# KiCad board squishy.kicad_pcb (continued)
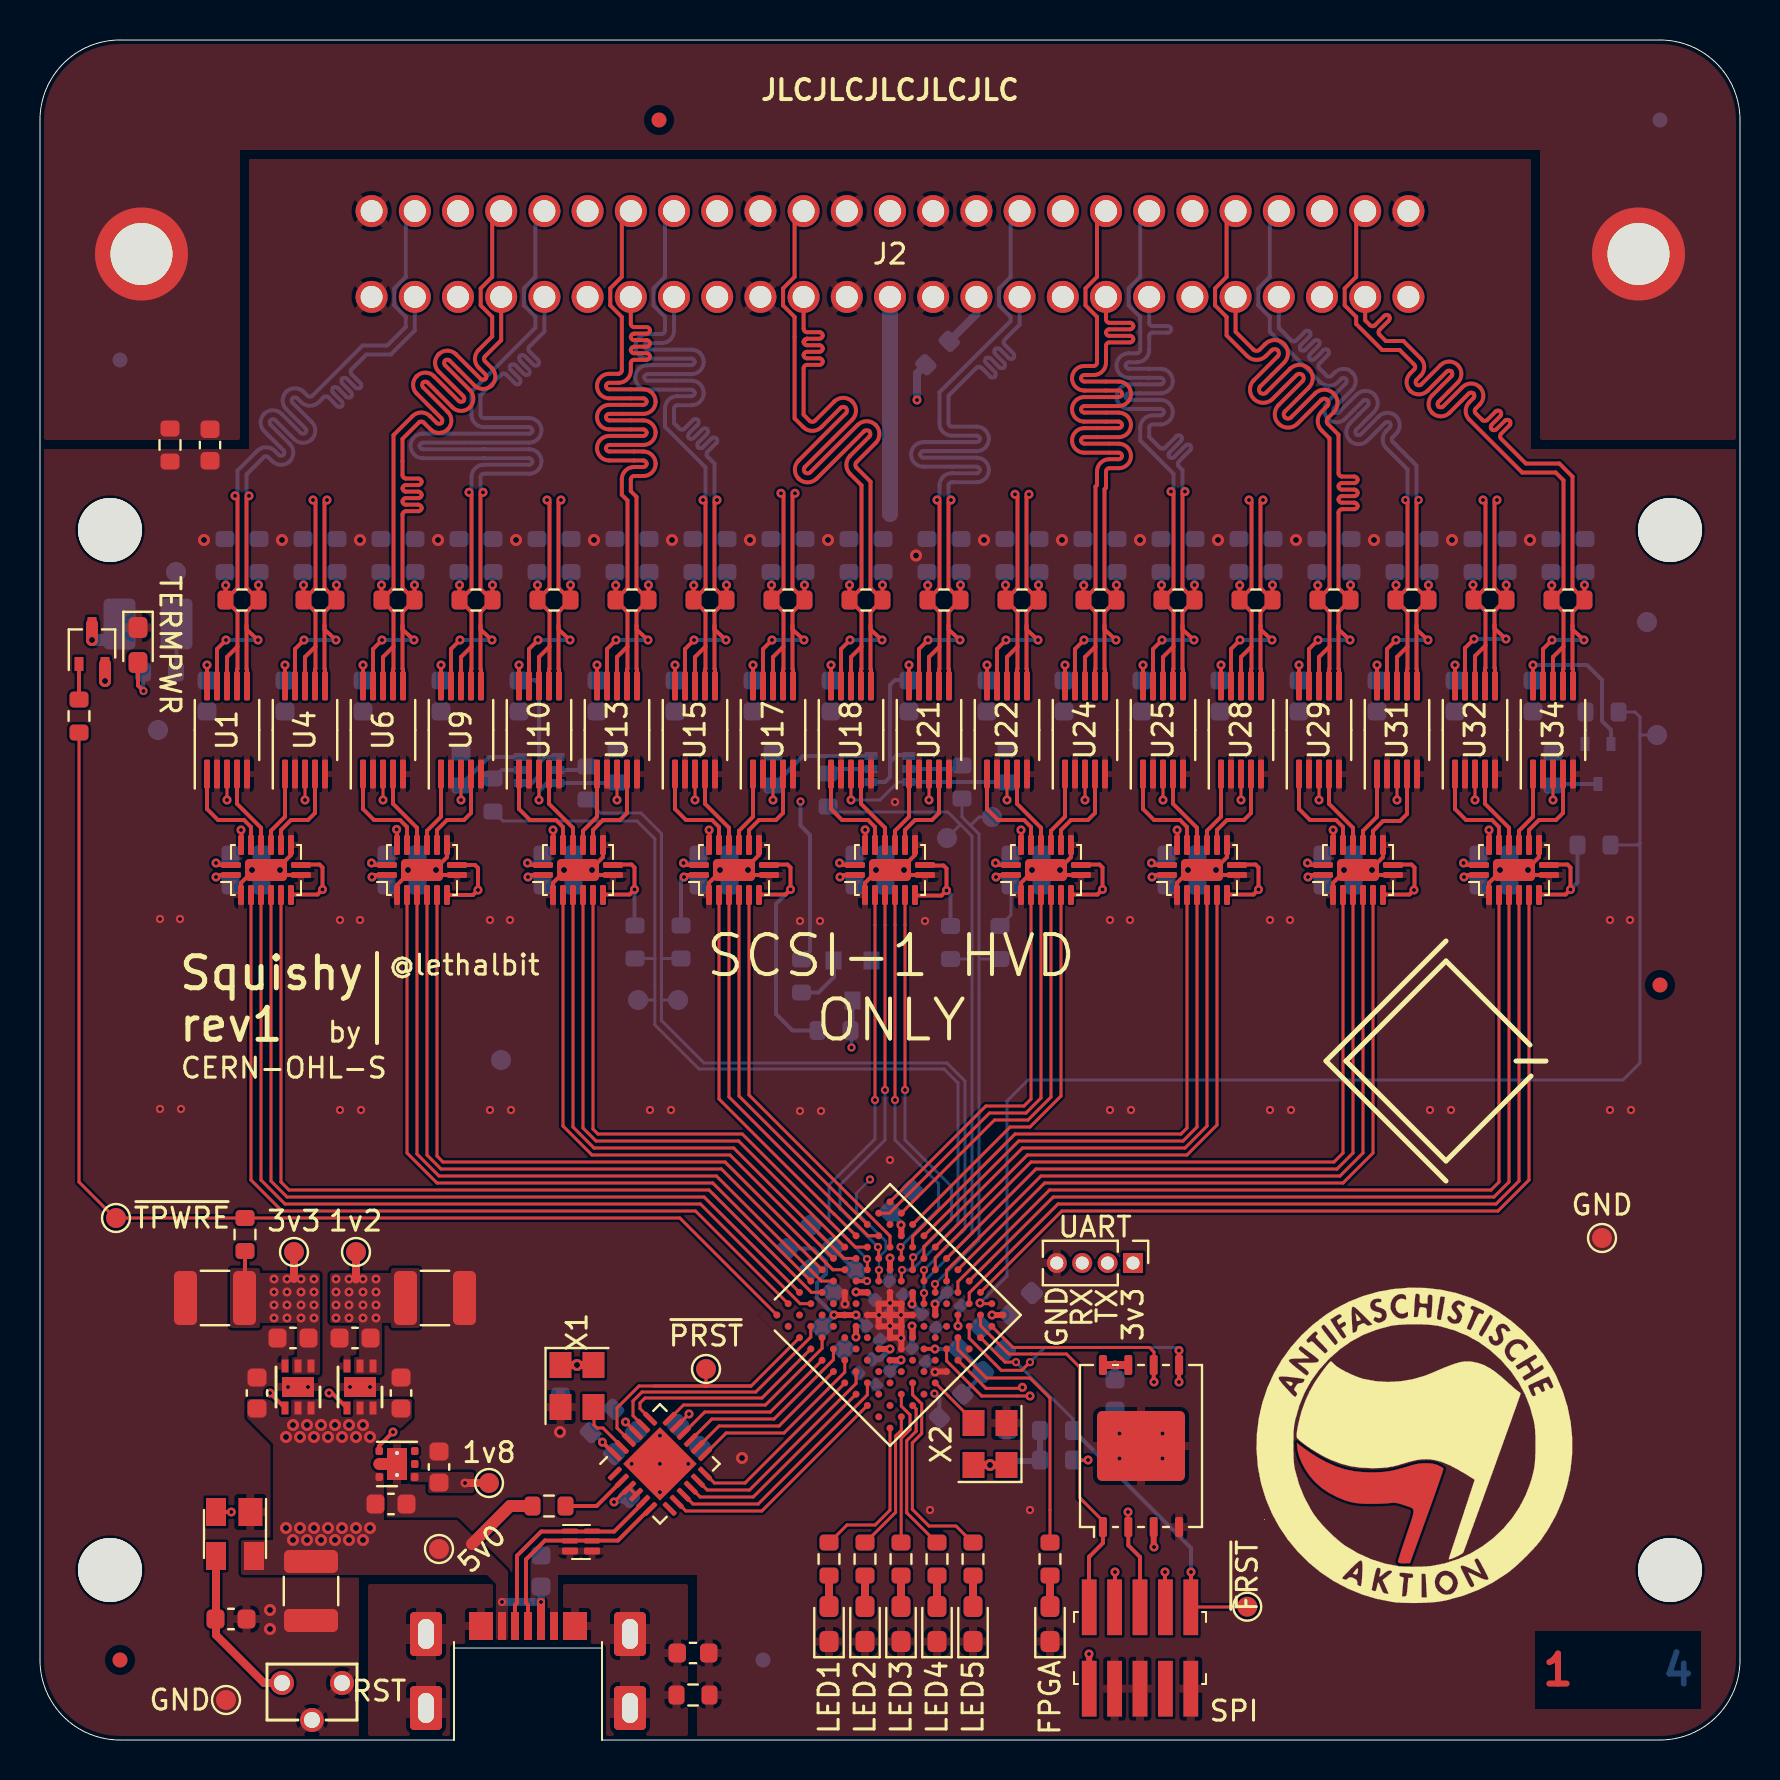
[diagram p0: board, top side]
## Routing (per net, layer and track width the routed paths; a pad name or vN(x,y) marks a point on that pad's centre or on a via; arc(x,y) is an arc through that point) (continued)
  Bottom w0.2: v2(53.82,57.75) 53.82,58.38 ; v2(53.8,55) v2(52.2,55)
/SCSI-OUT.DB6-: length 40.8
  Top w0.2: J2.33 52.85,76 52.85,73.16 52.27,72.58 52.27,71.73 52.85,71.15 52.85,68.86 arc(52.8,68.75) 52.69,68.7 52.21,68.7 arc(51.78,68.52) 51.6,68.09 arc(51.78,67.65) 52.21,67.47 53.94,67.47 arc(54.05,67.43) 54.1,67.31 arc(54.05,67.19) 53.94,67.15 52.21,67.15 arc(51.78,66.97) 51.6,66.53 arc(51.78,66.1) 52.21,65.92 53.94,65.92 arc(54.05,65.87) 54.1,65.76 arc(54.05,65.64) 53.94,65.59 52.21,65.59 arc(51.78,65.41) 51.6,64.98 arc(51.78,64.55) 52.21,64.37 53.94,64.37 arc(54.05,64.32) 54.1,64.2 arc(54.05,64.09) 53.94,64.04 53.46,64.04 arc(53.03,63.86) 52.85,63.42 52.85,62.75 52.78,62.67 52.77,57.6 R22.1 52.18,57.72 v2(52.19,57.74) ; 52.75,53.05 52.75,53.53 52.77,53.56 52.77,54.67 ; 52.77,54.67 52.77,56.4 52.17,57 ; 52.77,54.67 52.25,54.15 U24.8
  Bottom w0.2: 52.15,58.3 52.19,58.26 v2(52.19,57.74)
/SCSI-OUT.DB7+: length 41.9
  Top w0.2: v2(48.3,55) 47.85,54.55 U22.9 ; 49.32,55.72 49.32,53.56 49.35,53.53 49.35,53.1 ; 49.32,55.72 49.32,56.4 R21.2 ; 49.32,55.72 49.32,55.52 v2(49.9,55) ; R21.2 49.32,57.6 49.32,62.16 v2(49.45,62.29) ; R21.2 v2(49.93,57.75)
  In1.Cu w0.2: v2(49.45,62.29) 49.32,62.41 49.32,62.95 arc(49.37,63.07) 49.49,63.11 50.05,63.11 arc(50.48,63.29) 50.66,63.73 arc(50.48,64.16) 50.05,64.34 48.15,64.34 arc(48.03,64.39) 47.99,64.5 arc(48.03,64.62) 48.15,64.67 50.05,64.67 arc(50.48,64.85) 50.66,65.28 arc(50.48,65.71) 50.05,65.89 48.15,65.89 arc(48.03,65.94) 47.99,66.06 arc(48.03,66.17) 48.15,66.22 48.71,66.22 arc(49.15,66.4) 49.32,66.83 49.32,67.73 49.65,68.05 arc(49.76,68.1) 49.88,68.05 50.45,67.48 arc(50.56,67.44) 50.68,67.48 arc(50.73,67.6) 50.68,67.71 50.11,68.28 arc(50.06,68.4) 50.11,68.52 arc(50.22,68.56) 50.34,68.52 50.91,67.95 arc(51.03,67.9) 51.14,67.95 arc(51.19,68.06) 51.14,68.18 50.57,68.75 arc(50.52,68.86) 50.57,68.98 arc(50.69,69.03) 50.8,68.98 51.37,68.41 arc(51.49,68.36) 51.6,68.41 arc(51.65,68.52) 51.6,68.64 51.03,69.21 arc(50.99,69.33) 51.03,69.44 51.14,69.55 J2.9
  Bottom w0.2: R54.1 49.92,58.37 v2(49.92,57.75) ; v2(49.9,55) v2(48.3,55)
/SCSI-OUT.DB7-: length 38
  Top w0.2: 48.85,53.05 48.85,53.53 48.87,53.56 48.87,54.67 ; 48.87,54.67 48.35,54.15 U22.8 ; 48.87,54.67 48.87,56.4 48.27,57 48.87,57.6 48.87,62.16 v2(48.75,62.29) ; v2(48.27,57.75) 48.28,57.75 R21.1
  In1.Cu w0.2: J2.34 50.69,76 50.69,73.16 50.11,72.58 50.11,71.73 50.69,71.15 50.69,69.73 48.87,67.92 48.87,66.83 arc(48.83,66.72) 48.71,66.67 48.15,66.67 arc(47.72,66.49) 47.54,66.06 arc(47.72,65.62) 48.15,65.44 50.05,65.44 arc(50.16,65.4) 50.21,65.28 arc(50.16,65.17) 50.05,65.12 48.15,65.12 arc(47.72,64.94) 47.54,64.5 arc(47.72,64.07) 48.15,63.89 50.05,63.89 arc(50.16,63.84) 50.21,63.73 arc(50.16,63.61) 50.05,63.56 49.49,63.56 arc(49.05,63.38) 48.87,62.95 48.87,62.41 v2(48.75,62.29)
  Bottom w0.2: v2(48.27,57.75) 48.27,58.33 48.25,58.35
/SCSI-OUT.DBP+: length 42.1
  Top w0.2: U21.9 43.95,54.55 v2(44.4,55) ; v2(45.55,62) 45.43,61.88 45.43,57.6 R18.2 ; R18.2 v2(46.03,57.75) ; R18.2 45.42,56.4 45.42,55.72 ; 45.42,55.72 45.42,53.56 45.45,53.53 45.45,53.1 ; 45.42,55.72 45.42,55.52 v2(46,55)
  Bottom w0.2: v2(46.02,57.75) 46.02,58.37 R56.1 ; v2(46,55) v2(44.4,55) ; J2.10 48.98,70.76 48.22,70 arc(48.17,69.89) 48.22,69.77 48.67,69.33 arc(48.72,69.21) 48.67,69.09 arc(48.55,69.05) 48.44,69.09 47.99,69.54 arc(47.87,69.59) 47.76,69.54 arc(47.71,69.43) 47.76,69.31 48.21,68.86 arc(48.25,68.75) 48.21,68.63 arc(48.09,68.58) 47.97,68.63 47.53,69.08 arc(47.41,69.13) 47.3,69.08 arc(47.25,68.96) 47.3,68.85 47.74,68.4 arc(47.79,68.29) 47.74,68.17 arc(47.63,68.12) 47.51,68.17 47.07,68.62 arc(46.95,68.66) 46.83,68.62 45.43,67.21 45.43,65.83 arc(45.47,65.72) 45.59,65.67 46.83,65.67 arc(47.26,65.49) 47.44,65.06 arc(47.26,64.62) 46.83,64.44 44.17,64.44 arc(44.05,64.39) 44.01,64.28 arc(44.05,64.16) 44.17,64.12 46.83,64.12 arc(47.26,63.94) 47.44,63.5 arc(47.26,63.07) 46.83,62.89 45.59,62.89 arc(45.47,62.84) 45.43,62.73 45.43,62.12 v2(45.55,62)
/SCSI-OUT.DBP-: length 39.3
  Top w0.2: 44.95,53.05 44.95,53.53 44.97,53.56 44.97,54.67 ; 44.97,54.67 44.45,54.15 U21.8 ; 44.97,54.67 44.97,56.4 44.37,57 ; v2(44.39,57.74) 44.38,57.72 R18.1 44.97,57.6 44.97,61.88 v2(44.85,62)
  Bottom w0.2: v2(44.85,62) 44.97,62.12 44.97,62.73 arc(45.15,63.16) 45.59,63.34 46.83,63.34 arc(46.95,63.39) 46.99,63.5 arc(46.95,63.62) 46.83,63.67 44.17,63.67 arc(43.74,63.85) 43.56,64.28 arc(43.74,64.71) 44.17,64.89 46.83,64.89 arc(46.95,64.94) 46.99,65.06 arc(46.95,65.17) 46.83,65.22 45.59,65.22 arc(45.15,65.4) 44.97,65.83 44.97,67.39 48.53,70.95 48.53,71.15 47.95,71.73 47.95,72.58 48.53,73.16 48.53,76 J2.35 ; v2(44.39,57.74) 44.39,58.34 44.4,58.35
/SCSI-OUT.IO+: length 42
  Top w0.2: U1.9 8.85,54.55 v2(9.3,55) ; R3.2 10.33,57.6 10.33,62.08 v2(10.45,62.21) ; R3.2 10.33,56.4 10.33,55.72 ; R3.2 v2(10.93,57.75) ; 10.35,53.1 10.35,53.53 10.32,53.56 10.33,55.72 ; 10.33,55.72 10.33,55.52 v2(10.9,55)
  Bottom w0.2: v2(10.45,62.21) 10.33,62.33 10.33,63.28 11.18,64.14 arc(11.3,64.19) 11.42,64.14 11.62,63.94 arc(12.05,63.76) 12.49,63.94 arc(12.67,64.37) 12.49,64.81 11.53,65.76 arc(11.48,65.88) 11.53,65.99 arc(11.65,66.04) 11.76,65.99 12.72,65.04 arc(13.15,64.86) 13.58,65.04 arc(13.76,65.47) 13.58,65.9 12.63,66.86 arc(12.58,66.98) 12.63,67.09 arc(12.74,67.14) 12.86,67.09 13.06,66.89 arc(13.5,66.71) 13.93,66.89 14.18,67.14 arc(14.3,67.19) 14.42,67.14 14.86,66.69 arc(14.98,66.65) 15.09,66.69 arc(15.14,66.81) 15.09,66.93 14.65,67.37 arc(14.6,67.49) 14.65,67.6 arc(14.76,67.65) 14.88,67.6 15.32,67.16 arc(15.44,67.11) 15.56,67.16 arc(15.6,67.27) 15.56,67.39 15.11,67.83 arc(15.06,67.95) 15.11,68.07 arc(15.22,68.11) 15.34,68.07 15.79,67.62 arc(15.9,67.57) 16.02,67.62 arc(16.07,67.74) 16.02,67.85 15.57,68.3 arc(15.52,68.41) 15.57,68.53 16.32,69.28 17.54,69.28 18.74,70.47 J2.24 ; v2(10.93,57.75) 10.93,58.33 10.95,58.35 ; v2(10.9,55) v2(9.3,55)
/SCSI-OUT.IO-: length 39.3
  Top w0.2: R3.1 9.28,57.72 v2(9.29,57.74) ; R3.1 9.87,57.6 9.87,62.08 v2(9.75,62.21) ; R3.1 9.87,56.4 9.88,54.67 ; 9.88,54.67 9.88,53.56 9.85,53.53 9.85,53.05 ; 9.88,54.67 9.35,54.15 U1.8
  Bottom w0.2: v2(9.29,57.74) 9.29,58.31 9.25,58.35 ; v2(9.75,62.21) 9.87,62.33 9.87,63.47 10.87,64.46 arc(11.3,64.64) 11.73,64.46 11.94,64.26 arc(12.05,64.21) 12.17,64.26 arc(12.22,64.37) 12.17,64.49 11.21,65.44 arc(11.03,65.88) 11.21,66.31 arc(11.65,66.49) 12.08,66.31 13.04,65.35 arc(13.15,65.31) 13.27,65.35 arc(13.31,65.47) 13.27,65.59 12.31,66.54 arc(12.13,66.98) 12.31,67.41 arc(12.74,67.59) 13.18,67.41 13.38,67.21 arc(13.5,67.16) 13.61,67.21 16.13,69.72 17.36,69.72 18.29,70.66 18.29,71.15 17.71,71.73 17.71,72.58 18.29,73.16 18.29,76 J2.49
/SCSI-OUT.MSG+: length 41.8
  Top w0.2: 25.92,55.72 25.92,56.4 R8.2 ; 25.92,55.72 25.92,55.52 v2(26.5,55) ; 25.92,55.72 25.92,53.56 25.95,53.53 25.95,53.1 ; v2(24.9,55) 24.45,54.55 U10.9 ; R8.2 v2(26.53,57.75) ; R8.2 25.92,57.6 25.92,61.88 v2(26.05,62)
  In1.Cu w0.2: v2(26.05,62) 25.92,62.12 25.92,62.8 arc(25.97,62.92) 26.09,62.96 26.43,62.96 arc(26.86,63.14) 27.04,63.58 arc(26.86,64.01) 26.43,64.19 24.97,64.19 arc(24.85,64.24) 24.81,64.35 arc(24.85,64.47) 24.97,64.52 26.43,64.52 arc(26.86,64.7) 27.04,65.13 arc(26.86,65.56) 26.43,65.74 24.97,65.74 arc(24.85,65.79) 24.81,65.91 arc(24.85,66.02) 24.97,66.07 26.43,66.07 arc(26.86,66.25) 27.04,66.68 arc(26.86,67.12) 26.43,67.3 26.09,67.3 arc(25.97,67.35) 25.92,67.46 25.92,68.36 26.36,68.79 arc(26.47,68.84) 26.59,68.79 27.17,68.21 arc(27.29,68.16) 27.4,68.21 arc(27.45,68.32) 27.4,68.44 26.82,69.02 arc(26.77,69.14) 26.82,69.25 arc(26.94,69.3) 27.05,69.25 27.63,68.67 arc(27.75,68.62) 27.87,68.67 arc(27.91,68.79) 27.87,68.9 27.28,69.48 arc(27.24,69.6) 27.28,69.72 27.38,69.81 27.38,70.28 arc(27.43,70.39) 27.54,70.44 28.32,70.44 arc(28.43,70.49) 28.48,70.6 arc(28.43,70.72) 28.32,70.77 27.54,70.77 arc(27.43,70.81) 27.38,70.93 J2.20
  Bottom w0.2: v2(26.52,57.75) 26.52,58.32 26.55,58.35 ; v2(26.5,55) v2(24.9,55)
/SCSI-OUT.MSG-: length 38
  Top w0.2: U10.8 24.95,54.15 25.47,54.67 ; v2(24.87,57.75) 24.88,57.75 R8.1 ; 25.45,53.05 25.45,53.53 25.47,53.56 25.47,54.67 ; 25.47,54.67 25.47,56.4 24.87,57 25.47,57.6 25.47,61.88 v2(25.35,62)
  In1.Cu w0.2: v2(25.35,62) 25.47,62.12 25.47,62.8 arc(25.65,63.23) 26.09,63.41 26.43,63.41 arc(26.55,63.46) 26.59,63.58 arc(26.55,63.69) 26.43,63.74 24.97,63.74 arc(24.54,63.92) 24.36,64.35 arc(24.54,64.79) 24.97,64.97 26.43,64.97 arc(26.55,65.02) 26.59,65.13 arc(26.55,65.25) 26.43,65.29 24.97,65.29 arc(24.54,65.47) 24.36,65.91 arc(24.54,66.34) 24.97,66.52 26.43,66.52 arc(26.55,66.57) 26.59,66.68 arc(26.55,66.8) 26.43,66.85 26.09,66.85 arc(25.65,67.03) 25.47,67.46 25.47,68.54 26.93,70 26.93,71.15 26.35,71.73 26.35,72.58 26.93,73.16 26.93,76 J2.45
  Bottom w0.2: v2(24.87,57.75) 24.87,58.32 24.9,58.35
/SCSI-OUT.REQ+: length 43.4
  Top w0.2: v2(13.2,55) 12.75,54.55 U4.9 ; R4.2 14.22,56.4 14.22,55.72 ; R4.2 v2(14.82,57.75) ; R4.2 14.23,57.6 14.23,61.88 v2(14.35,62) ; 14.22,55.72 14.22,55.52 v2(14.8,55) ; 14.22,55.72 14.22,53.56 14.25,53.53 14.25,53.1
  In1.Cu w0.2: J2.23 20.9,70.73 20.68,70.52 arc(20.64,70.4) 20.68,70.28 21.13,69.84 arc(21.18,69.72) 21.13,69.61 arc(21.01,69.56) 20.9,69.61 20.45,70.05 arc(20.34,70.1) 20.22,70.05 arc(20.17,69.94) 20.22,69.82 20.67,69.38 arc(20.72,69.26) 20.67,69.14 arc(20.55,69.1) 20.44,69.14 19.99,69.59 arc(19.87,69.64) 19.76,69.59 arc(19.71,69.48) 19.76,69.36 20.21,68.91 arc(20.25,68.8) 20.21,68.68 arc(20.09,68.63) 19.97,68.68 19.53,69.13 arc(19.41,69.18) 19.3,69.13 18.28,68.11 arc(18.23,68) 18.28,67.88 18.55,67.61 arc(18.73,67.18) 18.55,66.74 arc(18.12,66.56) 17.68,66.74 16.59,67.83 arc(16.48,67.88) 16.36,67.83 arc(16.31,67.72) 16.36,67.6 17.45,66.51 arc(17.63,66.08) 17.45,65.64 arc(17.02,65.46) 16.58,65.64 15.49,66.73 arc(15.38,66.78) 15.26,66.73 arc(15.22,66.62) 15.26,66.5 16.35,65.41 arc(16.53,64.98) 16.35,64.55 arc(15.92,64.37) 15.49,64.55 15.22,64.82 arc(15.1,64.86) 14.98,64.82 14.23,64.06 14.23,62.12 v2(14.35,62)
  Bottom w0.2: v2(14.8,55) v2(13.2,55) ; v2(14.82,57.75) 14.82,58.37 R82.1
/SCSI-OUT.REQ-: length 40.6
  Top w0.2: 13.17,57 13.77,56.4 13.77,54.67 ; U4.8 13.25,54.15 13.77,54.67 ; v2(13.17,57.75) 13.18,57.75 R4.1 13.77,57.6 13.77,61.88 v2(13.65,62) ; 13.77,54.67 13.77,53.56 13.75,53.53 13.75,53.05
  In1.Cu w0.2: J2.48 20.45,76 20.45,73.16 19.87,72.58 19.87,71.73 20.45,71.15 20.45,70.92 17.96,68.43 arc(17.78,68) 17.96,67.56 18.23,67.29 arc(18.28,67.18) 18.23,67.06 arc(18.12,67.01) 18,67.06 16.91,68.15 arc(16.48,68.33) 16.04,68.15 arc(15.86,67.72) 16.04,67.28 17.13,66.19 arc(17.18,66.08) 17.13,65.96 arc(17.02,65.91) 16.9,65.96 15.81,67.05 arc(15.38,67.23) 14.94,67.05 arc(14.77,66.62) 14.94,66.19 16.04,65.09 arc(16.08,64.98) 16.04,64.86 arc(15.92,64.82) 15.8,64.86 15.53,65.13 arc(15.1,65.31) 14.67,65.13 13.77,64.24 13.77,62.12 v2(13.65,62)
  Bottom w0.2: R83.2 13.17,58.38 v2(13.17,57.75)
/SCSI-OUT.RST+: length 43.6
  Top w0.2: 29.82,55.72 29.82,53.56 29.85,53.53 29.85,53.1 ; 29.82,55.72 29.82,55.52 v2(30.4,55) ; 29.82,55.72 29.82,56.4 R9.2 ; U13.9 28.35,54.55 v2(28.8,55) ; R9.2 29.83,57.6 29.83,62.16 29.54,62.44 29.54,63.03 arc(29.59,63.15) 29.7,63.2 30.17,63.2 arc(30.6,63.38) 30.78,63.81 arc(30.6,64.25) 30.17,64.43 28.46,64.43 arc(28.35,64.47) 28.3,64.59 arc(28.35,64.7) 28.46,64.75 30.17,64.75 arc(30.6,64.93) 30.78,65.37 arc(30.6,65.8) 30.17,65.98 28.46,65.98 arc(28.35,66.03) 28.3,66.14 arc(28.35,66.26) 28.46,66.31 30.17,66.31 arc(30.6,66.49) 30.78,66.92 arc(30.6,67.35) 30.17,67.53 28.46,67.53 arc(28.35,67.58) 28.3,67.7 arc(28.35,67.81) 28.46,67.86 28.93,67.86 arc(29.36,68.04) 29.54,68.47 29.54,68.85 arc(29.59,68.96) 29.7,69.01 30.33,69.01 arc(30.45,69.06) 30.5,69.17 arc(30.45,69.29) 30.33,69.34 29.7,69.34 arc(29.59,69.39) 29.54,69.5 arc(29.59,69.62) 29.7,69.67 30.33,69.67 arc(30.45,69.71) 30.5,69.83 arc(30.45,69.94) 30.33,69.99 29.7,69.99 arc(29.59,70.04) 29.54,70.16 arc(29.59,70.27) 29.7,70.32 30.33,70.32 arc(30.45,70.37) 30.5,70.48 arc(30.45,70.6) 30.33,70.65 29.7,70.65 arc(29.59,70.69) 29.54,70.81 J2.19 ; R9.2 v2(30.43,57.75)
  Bottom w0.2: R69.1 30.42,58.37 v2(30.42,57.75) ; v2(30.4,55) v2(28.8,55)
/SCSI-OUT.RST-: length 40.8
  Top w0.2: 29.37,54.67 29.37,53.56 29.35,53.53 29.35,53.05 ; 29.37,54.67 29.37,56.4 28.77,57 ; 29.37,54.67 28.85,54.15 U13.8 ; J2.44 29.09,76 29.09,73.16 28.51,72.58 28.51,71.73 29.09,71.15 29.09,68.47 arc(29.04,68.36) 28.93,68.31 28.46,68.31 arc(28.03,68.13) 27.85,67.7 arc(28.03,67.26) 28.46,67.08 30.17,67.08 arc(30.28,67.04) 30.33,66.92 arc(30.28,66.8) 30.17,66.76 28.46,66.76 arc(28.03,66.58) 27.85,66.14 arc(28.03,65.71) 28.46,65.53 30.17,65.53 arc(30.28,65.48) 30.33,65.37 arc(30.28,65.25) 30.17,65.2 28.46,65.2 arc(28.03,65.02) 27.85,64.59 arc(28.03,64.16) 28.46,63.98 30.17,63.98 arc(30.28,63.93) 30.33,63.81 arc(30.28,63.7) 30.17,63.65 29.7,63.65 arc(29.27,63.47) 29.09,63.03 29.09,62.26 29.37,61.97 29.37,57.6 R9.1 28.78,57.72 v2(28.79,57.74)
  Bottom w0.2: v2(28.79,57.74) 28.79,58.39
/SCSI-OUT.SEL+: length 49.3
  Top w0.2: 22.02,55.72 22.02,55.52 v2(22.6,55) ; 22.02,55.72 22.02,53.56 22.05,53.53 22.05,53.1 ; 22.02,55.72 22.02,56.4 R6.2 v2(22.62,57.75) ; v2(21,55) 20.55,54.55 U9.9 ; v2(22.15,62.38) 22.03,62.26 22.03,57.56 22.59,57
  Bottom w0.2: v2(22.62,57.75) 22.62,58.37 R78.1 ; J2.21 25.22,70.43 24.46,69.67 arc(24.41,69.55) 24.46,69.43 24.91,68.99 arc(24.95,68.87) 24.91,68.76 arc(24.79,68.71) 24.67,68.76 24.23,69.2 arc(24.11,69.25) 24,69.2 arc(23.95,69.09) 24,68.97 24.44,68.53 arc(24.49,68.41) 24.44,68.29 arc(24.33,68.25) 24.21,68.29 23.77,68.74 arc(23.65,68.79) 23.53,68.74 arc(23.49,68.63) 23.53,68.51 23.98,68.06 arc(24.03,67.95) 23.98,67.83 arc(23.86,67.78) 23.75,67.83 23.3,68.28 arc(23.19,68.33) 23.07,68.28 22.03,67.23 22.03,66.26 arc(22.07,66.14) 22.19,66.09 24.46,66.09 arc(24.89,65.91) 25.07,65.48 arc(24.89,65.05) 24.46,64.87 19.14,64.87 arc(19.03,64.82) 18.98,64.7 arc(19.03,64.59) 19.14,64.54 24.46,64.54 arc(24.89,64.36) 25.07,63.93 arc(24.89,63.49) 24.46,63.31 22.19,63.31 arc(22.07,63.27) 22.03,63.15 22.03,62.51 v2(22.15,62.38) ; v2(22.6,55) v2(21,55)
/SCSI-OUT.SEL-: length 46.5
  Top w0.2: 21.55,53.05 21.55,53.53 21.57,53.56 21.57,54.67 ; v2(21.45,62.38) 21.57,62.26 21.57,57.56 21.01,57 ; 21.57,54.67 21.57,56.4 20.97,57 ; 21.57,54.67 21.05,54.15 U9.8 ; R6.1 20.97,57.75 v2(20.97,57.75)
  Bottom w0.2: v2(20.97,57.75) 20.97,58.38 R79.2 ; v2(21.45,62.38) 21.57,62.51 21.57,63.15 arc(21.75,63.58) 22.19,63.76 24.46,63.76 arc(24.57,63.81) 24.62,63.93 arc(24.57,64.04) 24.46,64.09 19.14,64.09 arc(18.71,64.27) 18.53,64.7 arc(18.71,65.14) 19.14,65.32 24.46,65.32 arc(24.57,65.37) 24.62,65.48 arc(24.57,65.6) 24.46,65.64 22.19,65.64 arc(21.75,65.82) 21.57,66.26 21.57,67.42 24.77,70.61 24.77,71.15 24.19,71.73 24.19,72.58 24.77,73.16 24.77,76 J2.46
/SCSI-RX.ACK: length 19.9
  Top w0.152: U19.A8 39.71,26.3 39.7,26.3 33.95,32.05 U16.3
/SCSI-RX.ATN: length 20.5
  Top w0.152: U19.C7 41.37,24.03 v3(41.35,24.05) ; v3(41.75,32) U20.3
  Bottom w0.152: v3(41.35,24.05) 39.45,25.95 39.45,27.75 41.75,30.05 v3(41.75,32)
/SCSI-RX.BSY: length 19.1
  Top w0.152: U16.5 34.95,32.2 40.3,26.85 40.3,26.84 U19.A9
/SCSI-RX.CD: length 35.7
  Top w0.152: U19.A4 33.64,27.85 19.85,27.85 18.35,29.35 U8.3
/SCSI-RX.DB0: length 44.6
  Top w0.152: U19.J10 46.46,22.35 47.8,23.69 47.8,23.7 50.9,26.8 72.8,26.8 73.95,27.95 U33.5
/SCSI-RX.DB1: length 44
  Top w0.152: U19.H10 45.89,22.92 50.48,27.5 72.55,27.5 72.95,27.9 U33.3
/SCSI-RX.DB2: length 36.7
  Top w0.152: U19.G10 45.33,23.48 50.05,28.2 65,28.2 66.15,29.35 U30.5
/SCSI-RX.DB3: length 36.1
  Top w0.152: U19.F10 44.76,24.11 46.1,25.45 46.1,25.45 49.55,28.9 64.7,28.9 65.15,29.35 U30.3
/SCSI-RX.DB4: length 28.8
  Top w0.152: U27.5 58.35,30.7 57.25,29.6 49.12,29.6 44.2,24.68 U19.E10
/SCSI-RX.DB5: length 28.1
  Top w0.152: U27.3 57.35,30.6 57.05,30.3 48.75,30.3 43.63,25.18 U19.D10
/SCSI-RX.DB6: length 20
  Top w0.152: U19.B11 47.72,31 49.4,31 50.55,32.15 U23.5
/SCSI-RX.DB7: length 19.4
  Top w0.152: U23.3 49.55,32.05 49.2,31.7 47.29,31.7 U19.A11
/SCSI-RX.DBP: length 19.9
  Top w0.152: U19.D9 43.07,24.61 v3(43.03,24.65) ; U20.5 v3(42.75,32)
  Bottom w0.152: v3(42.75,32) 42.75,30 44.93,27.82 44.93,26.55 v3(43.03,24.65)
/SCSI-RX.IO: length 43.7
  Top w0.152: U19.A2 32.77,26.45 12.1,26.45 10.55,28 U2.3
/SCSI-RX.MSG: length 27.8
  Top w0.152: U11.3 26.15,30.7 27.6,29.25 34.5,29.25 U19.A6
/SCSI-RX.REQ: length 43
  Top w0.152: U19.A3 33.21,27.15 12.35,27.15 11.55,27.95 U2.5
/SCSI-RX.RST: length 27.2
  Top w0.152: U11.5 27.15,30.6 27.8,29.95 34.93,29.95 U19.A7
/SCSI-RX.SEL: length 35.1
  Top w0.152: U19.A5 34.07,28.55 20.05,28.55 19.35,29.25 U8.5
/SCSI-TX.ACK: length 20.5
  Top w0.152: U19.B9 41.4,25.21 40.06,26.55 40.05,26.55 34.45,32.15 U16.4
/SCSI-TX.ATN: length 19.9
  Top w0.152: v3(42.25,32.5) U20.4 ; U19.C8 41.93,24.62 v3(41.9,24.65)
  Bottom w0.152: v3(42.25,32.5) 42.25,30 40,27.75 40,26.55 v3(41.9,24.65)
/SCSI-TX.BSY: length 20.5
  Top w0.152: U16.6 35.45,32.25 42.5,25.2 U19.C9
/SCSI-TX.CD: length 36.4
  Top w0.152: U8.4 18.85,29.3 19.95,28.2 33.82,28.2 39.07,22.95 U19.B5
/SCSI-TX.DB0: length 44
  Top w0.152: U33.6 74.45,28 72.9,26.45 51.09,26.45 U19.J11
/SCSI-TX.DB1: length 43.4
  Top w0.152: U19.H11 50.66,27.15 72.7,27.15 73.45,27.9 U33.4
/SCSI-TX.DB2: length 36.1
  Top w0.152: U30.6 66.65,29.35 65.15,27.85 50.23,27.85 U19.G11
/SCSI-TX.DB3: length 35.4
  Top w0.152: U30.4 65.65,29.35 64.85,28.55 49.8,28.55 U19.F11
/SCSI-TX.DB4: length 28.1
  Top w0.152: U27.6 58.85,30.75 57.35,29.25 49.37,29.25 U19.E11
/SCSI-TX.DB5: length 27.5
  Top w0.152: U19.D11 48.94,29.95 57.15,29.95 57.85,30.65 U27.4
/SCSI-TX.DB6: length 20.1
  Top w0.152: U19.C11 48.51,30.65 49.5,30.65 51.05,32.2 U23.6
/SCSI-TX.DB7: length 20.7
  Top w0.152: U19.A10 42.47,26.34 47.48,31.35 49.3,31.35 50.05,32.1 U23.4
/SCSI-TX.DBP: length 20.5
  Top w0.152: v3(43.66,24.14) 43.63,24.11 U19.E9 ; v3(43.25,32.5) U20.6
  Bottom w0.152: v3(43.25,32.5) 43.25,30 45.57,27.68 45.57,26 43.71,24.14 v3(43.66,24.14)
/SCSI-TX.IO: length 44.3
  Top w0.152: U2.4 11.05,28 12.25,26.8 33.02,26.8 38.01,21.82 U19.B3
/SCSI-TX.MSG: length 28.5
  Top w0.152: U11.4 26.65,30.65 27.7,29.6 34.68,29.6 40.21,24.08 U19.B7
/SCSI-TX.REQ: length 43.7
  Top w0.152: U19.B4 38.57,22.38 33.45,27.5 12.45,27.5 12.05,27.9 U2.6
/SCSI-TX.RST: length 27.9
  Top w0.152: U11.6 27.65,30.55 27.9,30.3 35.12,30.3 40.77,24.64 U19.B8
/SCSI-TX.SEL: length 35.8
  Top w0.152: U8.6 19.85,29.2 20.15,28.9 34.25,28.9 39.64,23.51 U19.B6
/SPI_CLK: length 22.3
  Top w0.152: U19.L10 48.65,19.63 55.47,19.63 55.7,19.4 55.7,18.75
  Top w0.2: v2(53.75,8.4) 53.75,6.7 ; v2(55.7,17.9) 55.69,17.91 U26.6
  In1.Cu w0.2: v2(53.75,8.4) 53.75,11.75 53.52,11.98 53.52,15.57 55.7,17.75 v2(55.7,17.9)
/TERMPWR: length 17.6
  In1.Cu w0.8: J2.38 42.5,72.15
  Bottom w0.2: 6.82,55.8 6.82,53.4
  Bottom w0.8: J2.13 42.5,61.3
/UART_RX: length 11.5
  Top w0.152: U19.L7 47.3,17.58 49.07,17.58 v2(49.12,17.63)
  In1.Cu w0.152: 52.1,23.85 52.1,20.19 49.54,17.63 v2(49.12,17.63)
/UART_TX: length 13.8
  Top w0.152: v2(49.5,17.2) 47.08,17.2 45.33,18.96 U19.K7
  In1.Cu w0.152: 53.4,23.85 53.4,21.1 v2(49.5,17.2)
/~{DIFF_SENSE}: length 15.5
  Top w0.152: U19.D7 41.93,23.48 v3(41.95,23.5)
  In2.Cu w0.2: v3(41.5,28.02) 41.5,29.97 40.57,30.9 v3(40.57,34.62)
  Bottom w0.127: v3(41.5,28.02) 40.82,27.35 40.82,26.4 42.3,24.93 42.3,24.48 41.95,24.14 v3(41.95,23.5)
  Bottom w0.2: Q5.3 40.62,35.52 40.55,35.45 40.57,35.42 v3(40.57,34.62)
/~{FPGA_RESET}: length 21
  Top w0.152: 57.55,6.65 60.35,6.65 ; v3(48.8,18.89) 48.26,18.89 48.05,19.1 48.04,19.1 U19.L9
  Top w0.2: v2(57.55,8.4) 57.55,6.65
  Bottom w0.152: v3(48.8,18.89) 51.65,16.04 R53.1
  Bottom w0.2: v2(57.55,8.4) 57.55,9.6 51.68,15.47 R53.1
/~{PHY_RST}: length 18.1
  Top w0.152: U19.C1 35.56,17.7 ; 35.56,17.7 33.3,17.7 ; 35.56,17.7 29.95,17.7 28.85,16.6 28.85,15.6 U14.22 ; 33.3,17.7 30.7,17.7 ; 33.3,17.7 TP6.1
/~{SCSI_AA_EN}: length 34.2
  Top w0.152: v3(44.2,22.35) 44.2,22.35 U19.G8
  Bottom w0.152: R40.2 46.6,39.05 ; 45.99,45.79 46.6,45.19 46.6,25.32 44.2,22.92 v3(44.2,22.35) ; 45.99,45.79 45.99,45.74 TP10.1 ; 45.99,45.79 45.39,46.4 39.68,46.4 R44.2
/~{SCSI_BSY_EN}: length 28.2
  Top w0.152: U19.G9 44.76,22.79 v3(44.75,22.8)
  Bottom w0.152: 46.53,45.72 46.95,45.3 46.95,25 v3(44.75,22.8) ; 46.53,45.72 46.95,46.15 TP9.1 ; 46.53,45.72 46.1,46.15 46.1,47.08 ; R37.2 47.03,39.05
/~{SCSI_MR_EN}: length 47.6
  Top w0.152: U19.E8 43.07,23.47 v3(43.1,23.5)
  Bottom w0.152: 30.74,36.96 30.7,37 TP12.1 ; 30.74,36.96 30.74,35.76 32.95,33.55 45.2,33.55 45.9,32.85 45.9,25.8 45.8,25.7 45.79,25.7 43.59,23.5 v3(43.1,23.5) ; 30.74,36.96 30.74,39.06 ; 30.74,39.06 30.72,39.08 29.75,39.08 ; 30.74,39.06 30.74,45.06 29.85,45.95 23.15,45.95 22.65,46.45
/~{SCSI_SEL_EN}: length 42.9
  Top w0.152: v3(44.2,23.5) 44.2,23.5 U19.F9
  Bottom w0.152: 31.07,37.03 31.07,35.98 33.2,33.85 45.35,33.85 46.25,32.95 46.25,25.55 46.1,25.4 v3(44.2,23.5) ; 31.07,37.03 31.07,39.07 ; 31.07,37.03 31.1,37 TP11.1 ; 31.07,39.07 31.07,39.08 32.05,39.08 ; 31.07,39.07 31.07,45.33 30.05,46.35 28.03,46.35 R68.2
/~{SCSI_TX_EN}: length 64.6
  Top w0.152: v2(47,21.85) 47.03,21.82 U19.K11
  Bottom w0.152: 80,50.2 80,51.15 79.75,51.4 R29.2 ; 80,50.2 80,44.85 ; 80,50.2 80.05,50.25 TP8.1 ; 80,44.85 79.9,44.75 R30.2 ; 80,44.85 80,33.85 79.15,33 49.4,33 48.35,31.95 48.35,23.2 v2(47,21.85)
/~{SPI_CS}: length 20.3
  Top w0.152: 51.97,13.97 51.97,18.65 51.32,19.3 48.45,19.3 48.35,19.4 48.34,19.4 47.03,20.72 U19.K10 ; 51.97,13.97 51.97,12.12 53.15,10.95 53.15,10.62 ; 51.97,13.97 52.38,13.97 v2(52.4,14)
  Top w0.2: U26.1 53.15,9.84 52.45,9.15 52.45,6.65
  Bottom w0.152: 51.7,14.02 52.38,14.02 v2(52.4,14)
/~{TP_EN}: length 60.1
  Top w0.152: U19.A1 31.99,26.1 3.75,26.1 1.95,27.9 1.95,50.35
Net-(C30-Pad1): length 4.9
  Top w0.2: U19.J6 44.75,19.55 v2(44.75,19.55)
  Bottom w0.2: v2(44.75,19.55) 46,19.55 47.15,18.4 ; 47.1,18.35 47.1,18.25 R57.2
Net-(C45-Pad1): length 4.5
  Top w0.2: U19.C6 41.35,22.95 v3(41.35,22.95)
  Bottom w0.2: C45.1 39.65,24.6 39.6,24.6 ; v3(41.35,22.95) 40.8,23.5 40.75,23.5 ; 39.6,24.65 39.6,24.67 R62.2
Net-(C70-Pad1): length 8.2
  Top w0.4: SW1.2 11.2,2.85 8.8,5.25 U35.3
Net-(D1-Pad2): length 1.6
  Top w0.4: 39.45,8.26 39.45,6.7
Net-(D2-Pad2): length 1.6
  Top w0.4: 41.25,8.26 41.25,6.65
Net-(D3-Pad2): length 1.6
  Top w0.4: 43.05,6.65 43.05,8.26
Net-(D4-Pad2): length 1.6
  Top w0.4: 44.85,8.26 44.85,6.7
Net-(D5-Pad2): length 1.6
  Top w0.4: 46.65,8.26 46.65,6.65
Net-(D6-Pad2): length 1.6
  Top w0.4: 50.5,8.26 50.5,6.7
Net-(D7-Pad2): length 2
  Top w0.2: 4.9,53.4 4.9,52.72 v3(5.18,52.45)
  Bottom w0.2: R89.2 5.15,52.47 v3(5.18,52.45)
Net-(F1-Pad2): length 2
  Top w0.6: Q1.3 v1(2.6,55)
  Bottom w0.6: v1(2.6,55) 3.8,55
Net-(Q1-Pad1): length 1.8
  Top w0.2: Q1.1 1.95,52.05
Net-(Q2-Pad1): length 1.6
  Bottom w0.2: R29.1 77.28,49.77
Net-(Q3-Pad2): length 2.3
  Bottom w0.2: Q3.2 39.65,48.55 39.4,48.3
Net-(Q3-Pad5): length 2.5
  Bottom w0.2: Q3.5 45.95,48.55
Net-(Q4-Pad2): length 1.3
  Bottom w0.2: Q4.2 27.2,48.5
Net-(Q4-Pad5): length 1.5
  Bottom w0.2: Q4.5 23.1,48.5 22.65,48.05
Net-(Q5-Pad1): length 2.8
  Bottom w0.2: 39.7,39 39.7,38.15 38.93,37.38 R86.2
Net-(R72-Pad2): length 1.7
  Top w0.2: v2(28.12,14.89) 28.72,14.29 U14.24
  Bottom w0.2: v2(28.12,14.89) 27.61,15.4 27.55,15.4

## Copper pours and planes (outline as drawn; the poured copper is in the pictures)
+1V2 on Top: 19,20.6 17.55,20.6 17.55,20.85 17.1,20.85 17.1,18.25 15.7,18.25 15.7,19.15 15.95,19.15 15.95,20.85 14.5,20.85 14.5,23.35 17.55,23.35 17.55,23.6 19,23.6
+1V2 on Bottom: 17.1,20.85 14.5,20.85 14.5,23.35 17.1,23.35
+1V2 on In2.Cu: 49.1,21.25 42.5,14.65 36.3,20.85 14.5,20.85 14.5,23.35 38,23.35 42.5,27.85
+1V8 on Top: 21.7,12.35 19.4,12.35 19.4,12.9 18.5,12.9 18.5,13.4 21.7,13.4
+3V3 on Top: 14,18.25 12.6,18.25 12.6,19.15 12.85,19.15 12.85,20.85 11,20.85 11,20.6 9.5,20.6 9.5,23.6 11,23.6 11,23.35 14,23.35
+3V3 on Bottom: 14,20.85 11.4,20.85 11.4,23.35 14,23.35
+3V3 on In1.Cu: 77,42.05 14,42.05 14,26.5 41.15,26.5 42.5,27.85 49.1,21.25 42.5,14.65 35.9,21.25 38.65,24 14,24 14,20.85 11.4,20.85 11.4,42.05 8.55,42.05 8.55,43 77,43
+5V on Top: 23.4,5 22.8,5 22.8,7.8 22.35,8.25 10.05,8.25 10.05,10 11.65,10 11.65,11 20.85,11 23.4,8.45
+5V on Top: 18.6,16.1 17.2,14.8 17.2,11 11.65,11 11.65,14.8 10.35,16.1 10.35,17.05 18.6,17.05
+5V on Bottom: 17.2,14.65 11.65,14.65 11.65,16.25 17.2,16.25
+5V on Bottom: 17.25,9.5 11.65,9.5 11.65,11.1 17.25,11.1
+5V on In1.Cu: 17.25,8.25 11.65,8.25 11.65,12.5 2,12.5 2,54.5 75.15,54.5 75.15,53.5 4,53.5 4,45 72.4,45 72.4,44 4,44 4,14.5 11.65,14.5 11.65,17.05 17.25,17.05
GND on Top: 49.1,21.25 42.5,14.65 35.9,21.25 42.5,27.85
GND on Top, Bottom, In1.Cu, In2.Cu: 85,0 32.85,0 32.85,8.25 25.9,8.25 25.9,5 22.9,5 22.9,8.25 15.95,8.25 15.95,0 0,0 0,64.55 10.45,64.55 10.45,79.05 74.55,79.05 74.55,64.55 85,64.55
/SHIELD on Top, Bottom, In1.Cu, In2.Cu: 85,65 75,65 75,79.5 10,79.5 10,65 0,65 0,85 85,85
/SHIELD on In1.Cu: 75.5,71.2 68.4,71.2 67.6,72.15 68.4,73.1 75.5,73.1
/TERMPWR on Bottom: 77.85,61.6 77.85,59.6 76.65,59.6 76.65,60.9 73.95,60.9 73.95,59.6 72.75,59.6 72.75,60.9 70.05,60.9 70.05,59.6 68.85,59.6 68.85,60.9 66.15,60.9 66.15,59.6 64.95,59.6 64.95,60.9 62.25,60.9 62.25,59.6 61.05,59.6 61.05,60.9 58.35,60.9 58.35,59.6 57.15,59.6 57.15,60.9 54.45,60.9 54.45,59.6 53.25,59.6 53.25,60.9 50.55,60.9 50.55,59.6 49.35,59.6 49.35,60.9 46.65,60.9 46.65,59.6 45.45,59.6 45.45,60.9 42.75,60.9 42.75,59.6 41.55,59.6 41.55,60.9 38.85,60.9 38.85,59.6 37.65,59.6 37.65,60.9 34.95,60.9 34.95,59.6 33.75,59.6 33.75,60.9 31.05,60.9 31.05,59.6 29.85,59.6 29.85,60.9 27.15,60.9 27.15,59.6 25.95,59.6 25.95,60.9 23.25,60.9 23.25,59.6 22.05,59.6 22.05,60.9 19.35,60.9 19.35,59.6 18.15,59.6 18.15,60.9 15.45,60.9 15.45,59.6 14.25,59.6 14.25,60.9 11.55,60.9 11.55,59.6 10.35,59.6 10.35,60.9 7.85,60.9 7.85,54.35 5.8,54.35 5.8,61.6
Net-(C11-Pad2) on Top, Bottom, In1.Cu, In2.Cu: 32.4,0 28.1,0 28.1,4.6 20.7,4.6 20.7,0 16.4,0 16.4,7.8 22.65,7.8 22.65,4.9 26.15,4.9 26.15,7.8 32.4,7.8

## Text on the board
Bottom: 4
B.Silkscreen: TRANS RIGHTS ARE HUMAN RIGHTS | Serial No: | I'm a catgirl! / Nya Nya
Top: 1
F.Fab: Pre-Preg | Core | GND/SIG | PWR | TOP | BOT | Board Stackup
F.Silkscreen: CERN-OHL-S | by | @lethalbit | UART | SPI | GND | RX | TX | 3v3 | LED1 | LED2 | LED3 | LED4 | LED5 | FPGA | TERMPWR | JLCJLCJLCJLCJLC | Squishy / rev1 | SCSI-1 HVD / ONLY
In1.Cu: 2
In2.Cu: 3
